# Altium PCB NURIP.PcbDoc (part 2 of 14) (continued)
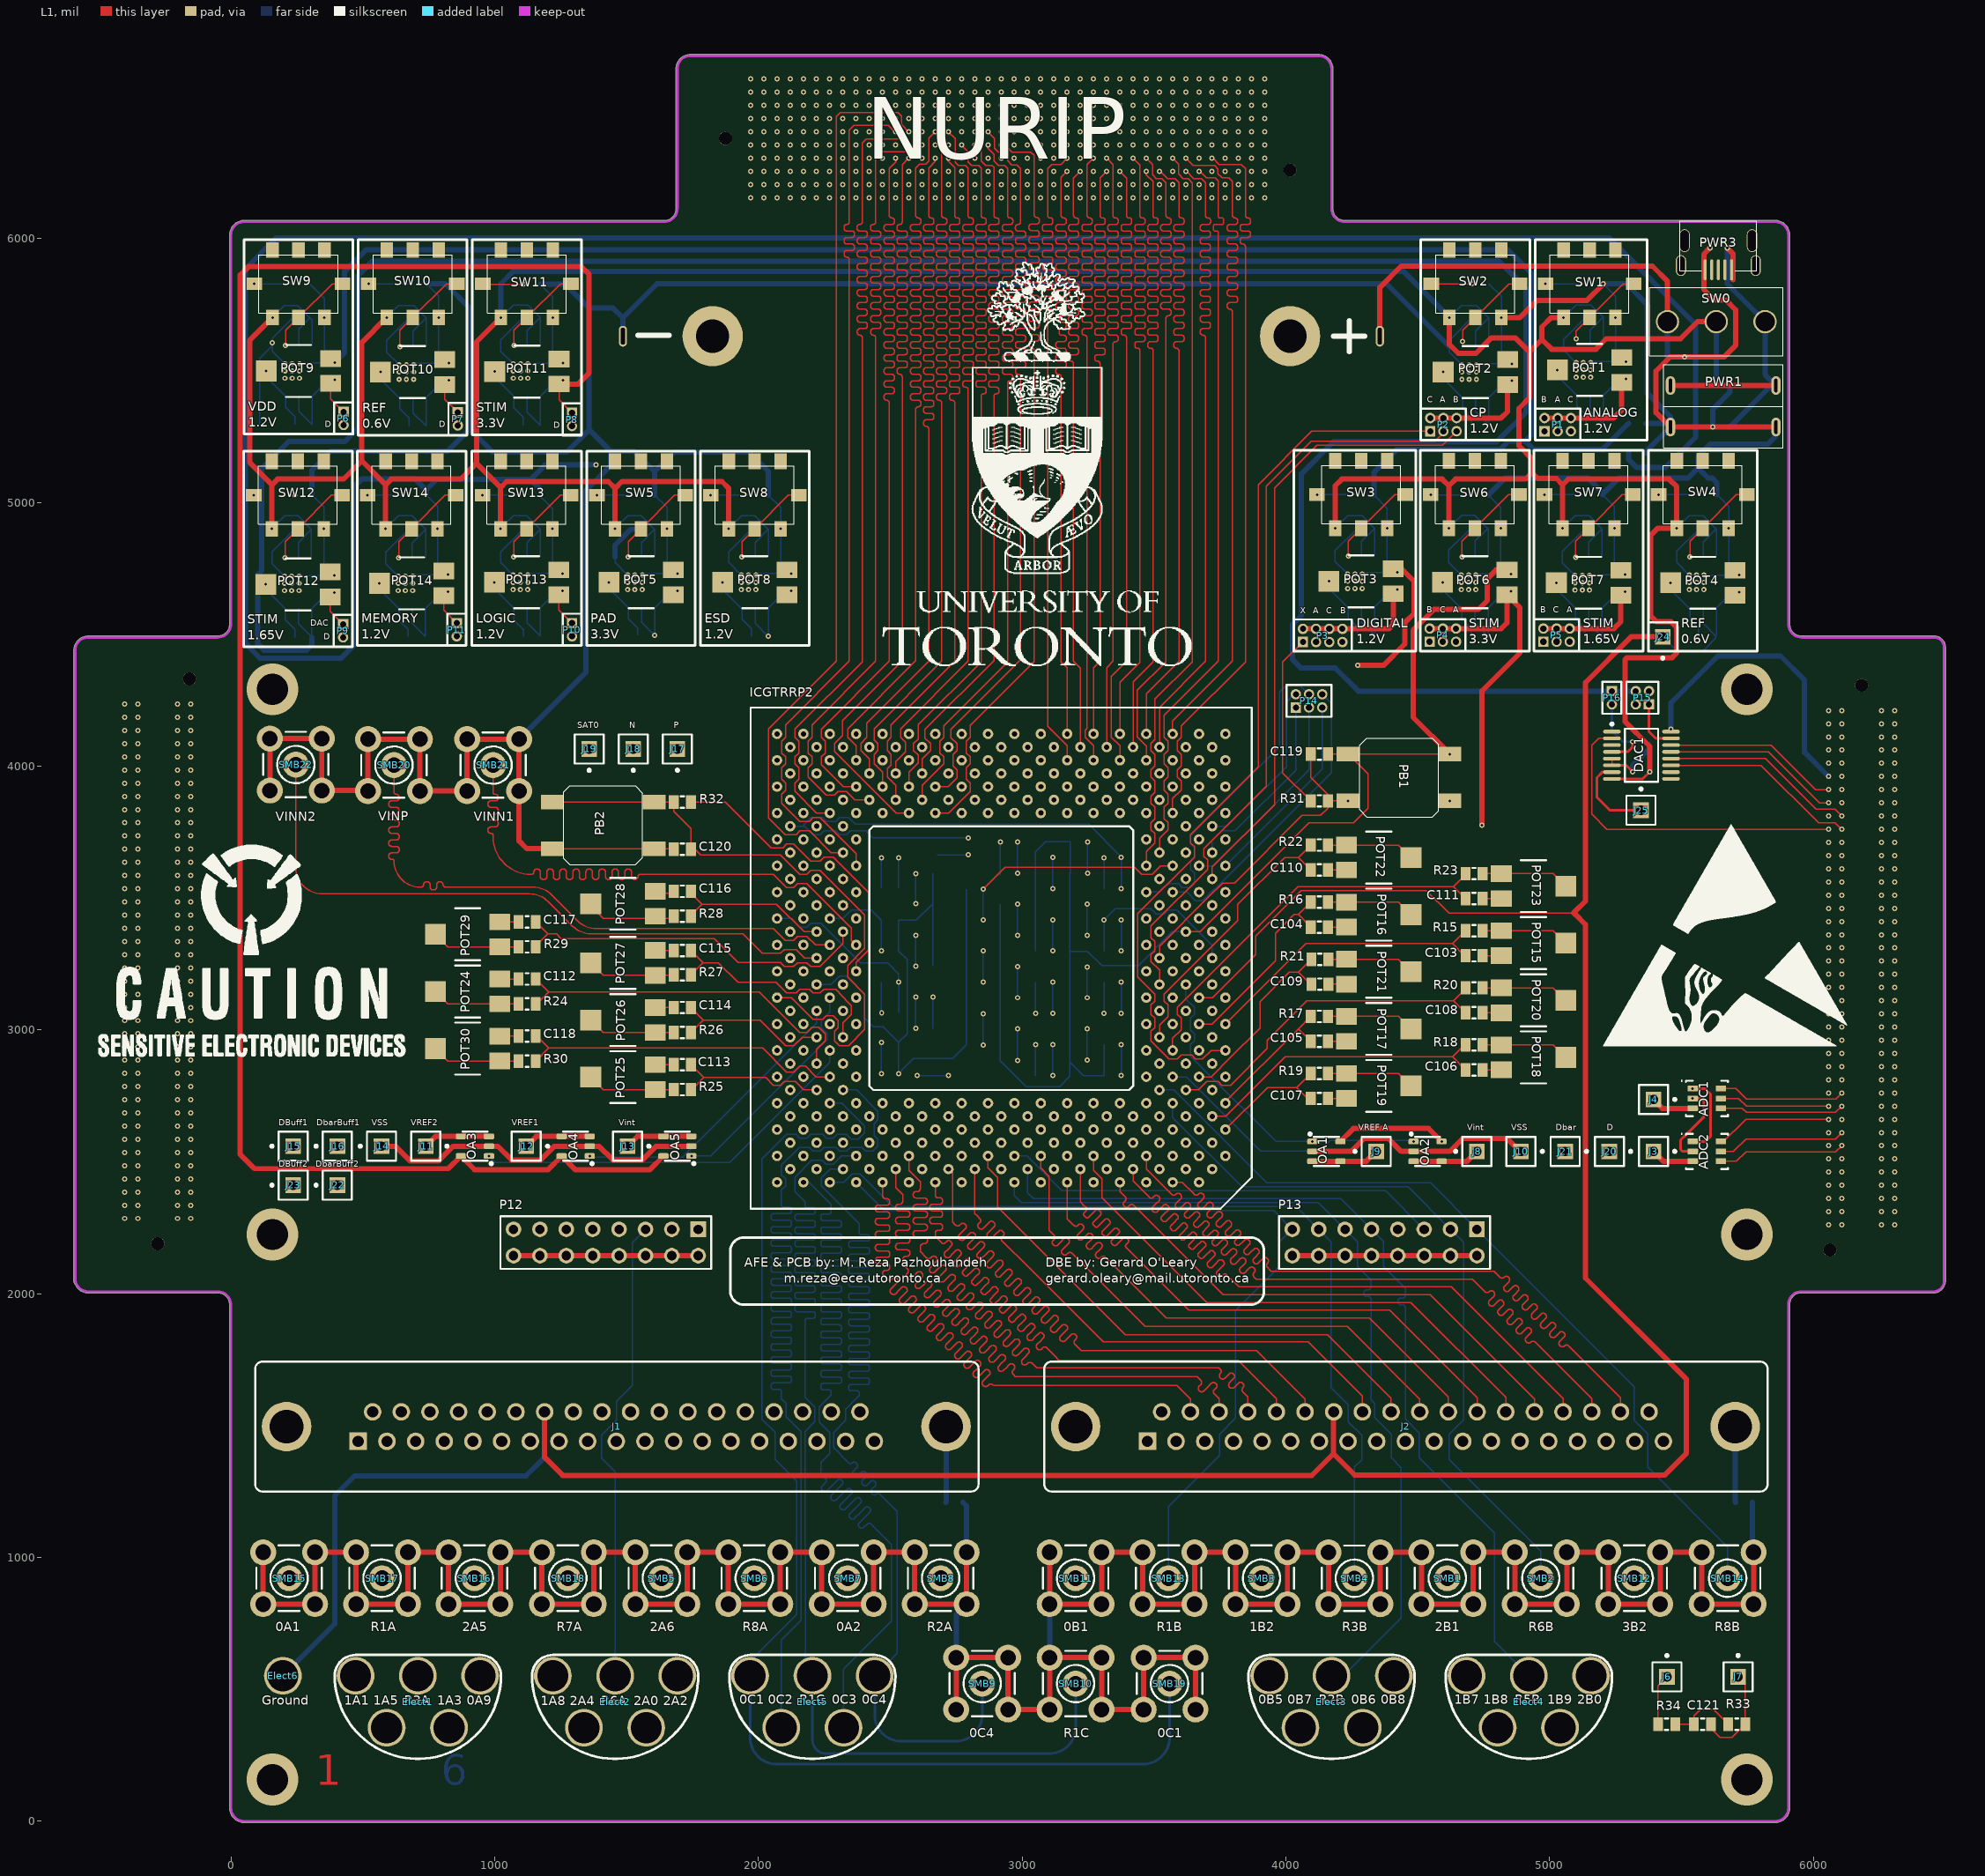
[diagram p0: L1 view]
## Nets (pads, with @x,y where several pads share a name; then routed paths per layer and width w, separated by ;. In a path a pad name is that pad's centre, name@x,y a point inside that pad or via, vN(x,y) a via of type N, cw(c..) or ccw(c..) an arc to the next point about the centre after c; other vN are vias at no path point) (continued)
0A6: ICGTRRP2.F8 J1.36 | length 3500.2
  L4 w5: J1.36@2276.4,1551.97 2276.4,1603.17 2324.8,1651.57 2337.15,1651.57 2353.25,1651.57 cw(c2353.25,1643) 2361.83,1643 ccw(c2372.94,1643) 2372.94,1631.89 2375.41,1631.89 ccw(c2375.41,1643) 2386.52,1643 2386.52,1651.57 2386.52,1655 cw(c2397.62,1655) 2397.62,1666.1 2400.09,1666.1 cw(c2400.09,1655) 2411.2,1655 2411.2,1651.57 2411.2,1643 ccw(c2422.31,1643) 2422.31,1631.89 2424.78,1631.89 ccw(c2424.78,1643) 2435.89,1643 2435.89,1651.57 2435.89,1655 cw(c2446.99,1655) 2446.99,1666.1 2449.46,1666.1 cw(c2449.46,1655) 2460.57,1655 2460.57,1651.57 2460.57,1643 ccw(c2471.68,1643) 2471.68,1631.89 2474.15,1631.89 ccw(c2474.15,1643) 2485.26,1643 2485.26,1651.57 2485.26,1655 cw(c2496.36,1655) 2496.36,1666.1 2498.83,1666.1 cw(c2498.83,1655) 2509.94,1655 2509.94,1651.57 2509.94,1643 ccw(c2521.05,1643) 2521.05,1631.89 2523.52,1631.89 ccw(c2523.52,1643) 2534.63,1643 2534.63,1651.57 2534.63,1655 cw(c2545.73,1655) 2545.73,1666.1 2548.2,1666.1 cw(c2548.2,1655) 2559.31,1655 2559.31,1651.57 2559.31,1643 ccw(c2570.42,1643) 2570.42,1631.89 2572.89,1631.89 ccw(c2572.89,1643) 2584,1643 2584,1651.57 2584,1655 cw(c2595.1,1655) 2595.1,1666.1 2597.57,1666.1 cw(c2597.57,1655) 2608.68,1655 2608.68,1651.57 2608.68,1643 ccw(c2619.79,1643) 2619.79,1631.89 2622.26,1631.89 ccw(c2622.26,1643) 2633.37,1643 2633.37,1651.57 2633.37,1655 cw(c2644.47,1655) 2644.47,1666.1 2646.94,1666.1 cw(c2646.94,1655) 2658.05,1655 2658.05,1651.57 2658.05,1643 ccw(c2669.16,1643) 2669.16,1631.89 2671.63,1631.89 ccw(c2671.63,1643) 2682.74,1643 2682.74,1651.57 2682.74,1655 cw(c2693.84,1655) 2693.84,1666.1 2696.31,1666.1 cw(c2696.31,1655) 2707.42,1655 2707.42,1651.57 2707.42,1643 ccw(c2718.53,1643) 2718.53,1631.89 2721,1631.89 ccw(c2721,1643) 2732.11,1643 2732.11,1651.57 2732.11,1655 cw(c2743.21,1655) 2743.21,1666.1 2745.68,1666.1 cw(c2745.68,1655) 2756.79,1655 2756.79,1651.57 2756.79,1643 ccw(c2767.9,1643) 2767.9,1631.89 2770.37,1631.89 ccw(c2770.37,1643) 2781.48,1643 2781.48,1651.57 2781.48,1655 cw(c2792.58,1655) 2792.58,1666.1 2795.05,1666.1 cw(c2795.05,1655) 2806.16,1655 2806.16,1651.57 2806.16,1643 ccw(c2817.27,1643) 2817.27,1631.89 2819.74,1631.89 ccw(c2819.74,1643) 2830.85,1643 2830.85,1651.57 2830.85,1655 cw(c2841.95,1655) 2841.95,1666.1 2844.42,1666.1 cw(c2844.42,1655) 2855.53,1655 2855.53,1651.57 2855.53,1643 ccw(c2866.64,1643) 2866.64,1631.89 2869.11,1631.89 ccw(c2869.11,1643) 2880.22,1643 2880.22,1651.57 2880.22,1660.15 cw(c2891.32,1660.15) 2891.32,1671.26 2893.79,1671.26 cw(c2893.79,1660.15) 2904.9,1660.15 ccw(c2913.48,1660.15) 2913.48,1651.57 2925.2,1651.57 2933.92,1660.3 2945.31,1671.69 ccw(c2939.25,1677.76) 2945.31,1683.82 cw(c2953.17,1691.68) 2945.31,1699.53 2947.06,1701.28 cw(c2954.91,1693.42) 2962.77,1701.28 2968.83,1695.21 2974.9,1689.15 ccw(c2982.75,1697) 2990.61,1689.15 2992.35,1690.89 ccw(c2984.5,1698.75) 2992.35,1706.6 2986.29,1712.67 2980.22,1718.73 cw(c2988.08,1726.59) 2980.22,1734.44 2981.97,1736.19 cw(c2989.82,1728.33) 2997.68,1736.19 3003.74,1730.12 3009.81,1724.06 ccw(c3017.66,1731.91) 3025.52,1724.06 3027.26,1725.8 ccw(c3019.41,1733.66) 3027.26,1741.51 3021.2,1747.58 3015.13,1753.64 cw(c3022.99,1761.5) 3015.13,1769.35 3016.88,1771.1 cw(c3024.73,1763.24) 3032.59,1771.1 3038.65,1765.03 3044.72,1758.97 ccw(c3052.57,1766.82) 3060.43,1758.97 3062.17,1760.71 ccw(c3054.32,1768.57) 3062.17,1776.42 3056.11,1782.49 3050.04,1788.55 cw(c3057.9,1796.41) 3050.04,1804.26 3051.79,1806.01 cw(c3059.64,1798.15) 3067.5,1806.01 3073.56,1799.94 3079.63,1793.88 ccw(c3087.48,1801.73) 3095.34,1793.88 3097.08,1795.62 ccw(c3089.23,1803.48) 3097.08,1811.33 3091.02,1817.4 3084.95,1823.46 cw(c3092.81,1831.32) 3084.95,1839.17 3086.7,1840.92 cw(c3094.55,1833.06) 3102.41,1840.92 3108.47,1834.85 3114.54,1828.79 ccw(c3122.39,1836.64) 3130.25,1828.79 3131.99,1830.53 ccw(c3124.14,1838.39) 3131.99,1846.24 3125.93,1852.31 3119.86,1858.37 cw(c3127.72,1866.23) 3119.86,1874.08 3121.61,1875.83 cw(c3129.46,1867.97) 3137.32,1875.83 3143.38,1869.76 3149.45,1863.7 ccw(c3157.3,1871.55) 3165.16,1863.7 3166.9,1865.44 ccw(c3159.05,1873.3) 3166.9,1881.15 3160.84,1887.22 3154.77,1893.28 cw(c3162.63,1901.14) 3154.77,1908.99 3156.52,1910.74 cw(c3164.37,1902.88) 3172.23,1910.74 3178.29,1904.67 3184.36,1898.61 ccw(c3192.21,1906.46) 3200.07,1898.61 3201.81,1900.35 ccw(c3193.96,1908.21) 3201.81,1916.06 3195.75,1922.13 3189.68,1928.19 cw(c3197.54,1936.05) 3189.68,1943.9 3191.43,1945.65 cw(c3199.28,1937.79) 3207.14,1945.65 3213.2,1939.58 3219.27,1933.52 ccw(c3227.12,1941.37) 3234.98,1933.52 3236.72,1935.26 ccw(c3228.87,1943.12) 3236.72,1950.97 3230.66,1957.04 3224.59,1963.1 cw(c3232.45,1970.96) 3224.59,1978.81 3226.34,1980.56 cw(c3234.19,1972.7) 3242.05,1980.56 3248.11,1974.49 3254.18,1968.43 ccw(c3262.03,1976.28) 3269.89,1968.43 3271.63,1970.17 ccw(c3263.78,1978.03) 3271.63,1985.88 3265.57,1991.95 3259.5,1998.01 cw(c3267.36,2005.87) 3259.5,2013.72 3261.25,2015.47 cw(c3269.1,2007.61) 3276.96,2015.47 3283.02,2009.4 3289.09,2003.34 ccw(c3296.94,2011.19) 3304.8,2003.34 3306.54,2005.08 ccw(c3298.69,2012.94) 3306.54,2020.79 3300.48,2026.86 3294.41,2032.92 cw(c3302.27,2040.78) 3294.41,2048.63 3296.16,2050.38 cw(c3304.01,2042.52) 3311.87,2050.38 3317.93,2044.31 3324,2038.25 ccw(c3331.85,2046.1) 3339.71,2038.25 3341.45,2039.99 ccw(c3333.6,2047.85) 3341.45,2055.7 3335.39,2061.77 3329.32,2067.83 cw(c3337.18,2075.69) 3329.32,2083.54 3331.07,2085.29 cw(c3338.92,2077.43) 3346.78,2085.29 3352.84,2079.22 3358.91,2073.16 ccw(c3366.76,2081.01) 3374.62,2073.16 3376.36,2074.9 ccw(c3368.51,2082.76) 3376.36,2090.61 3370.3,2096.68 3364.23,2102.74 cw(c3372.09,2110.59) 3364.23,2118.45 3365.98,2120.2 cw(c3373.83,2112.34) 3381.69,2120.2 3387.75,2114.13 3393.82,2108.07 ccw(c3401.67,2115.92) 3409.53,2108.07 3411.27,2109.81 ccw(c3403.42,2117.67) 3411.27,2125.52 3405.21,2131.59 3399.14,2137.65 cw(c3407,2145.5) 3399.14,2153.36 3400.89,2155.11 cw(c3408.74,2147.25) 3416.6,2155.11 ccw(c3422.66,2161.17) 3428.73,2155.1 3438.52,2164.9 3438.52,2177.24 3438.52,2193.35 ccw(c3429.95,2193.35) 3429.95,2201.93 cw(c3429.95,2213.04) 3418.84,2213.04 3418.84,2215.51 cw(c3429.95,2215.51) 3429.95,2226.61 3438.52,2226.61 3447.1,2226.61 ccw(c3447.1,2237.72) 3458.21,2237.72 3458.21,2240.19 ccw(c3447.1,2240.19) 3447.1,2251.3 3438.52,2251.3 3429.95,2251.3 cw(c3429.95,2262.41) 3418.84,2262.41 3418.84,2264.88 cw(c3429.95,2264.88) 3429.95,2275.98 3438.52,2275.98 3447.1,2275.98 ccw(c3447.1,2287.09) 3458.21,2287.09 3458.21,2289.56 ccw(c3447.1,2289.56) 3447.1,2300.67 3438.52,2300.67 3429.95,2300.67 cw(c3429.95,2311.78) 3418.84,2311.78 3418.84,2314.25 cw(c3429.95,2314.25) 3429.95,2325.35 3438.52,2325.35 3447.1,2325.35 ccw(c3447.1,2336.46) 3458.21,2336.46 3458.21,2338.93 ccw(c3447.1,2338.93) 3447.1,2350.04 cw(c3447.1,2358.62) 3438.52,2358.62 3438.52,2372.05 3438.52,2435.54 3452.89,2449.91 3452.89,2485.54 3438.52,2499.91 3438.52,2535.54 3452.89,2549.91 3452.89,2585.54 3438.52,2599.91 3438.52,2654.39 ICGTRRP2.F8@3420.71,2672.2
0A7: ICGTRRP2.D26 J1.6 | length 3193
  L3 w5: J1.6@1026.34,1440.16 1026.34,1609.02 1040.35,1623.03 1052.39,1635.07 cw(c1057.58,1629.87) 1062.77,1635.07 ; 1062.74,1635.1 ccw(c1071.47,1643.83) 1080.2,1635.1 ccw(c1071.47,1643.83) 1080.2,1652.55 1075.04,1657.71 1069.88,1662.87 cw(c1078.6,1671.6) 1069.88,1680.33 cw(c1078.6,1671.6) 1087.33,1680.33 1092.49,1675.17 1097.65,1670.01 ccw(c1106.38,1678.74) 1115.11,1670.01 ccw(c1106.38,1678.74) 1115.11,1687.46 1109.95,1692.62 1104.79,1697.78 cw(c1113.51,1706.51) 1104.79,1715.24 cw(c1113.51,1706.51) 1122.24,1715.24 1127.4,1710.08 1132.56,1704.92 ccw(c1141.29,1713.65) 1150.02,1704.92 ccw(c1141.29,1713.65) 1150.02,1722.37 1144.86,1727.53 1139.7,1732.69 cw(c1148.42,1741.42) 1139.7,1750.15 cw(c1148.42,1741.42) 1157.15,1750.15 1162.31,1744.99 1167.47,1739.83 ccw(c1176.2,1748.56) 1184.93,1739.83 ccw(c1176.2,1748.56) 1184.93,1757.28 1179.77,1762.44 1174.61,1767.6 cw(c1183.33,1776.33) 1174.61,1785.06 cw(c1183.33,1776.33) 1192.06,1785.06 1197.22,1779.9 1202.38,1774.74 ccw(c1211.11,1783.47) 1219.84,1774.74 ccw(c1211.11,1783.47) 1219.84,1792.19 1214.68,1797.35 1209.52,1802.51 cw(c1218.24,1811.24) 1209.52,1819.97 cw(c1218.24,1811.24) 1226.97,1819.97 1232.13,1814.81 1237.29,1809.65 ccw(c1246.02,1818.38) 1254.75,1809.65 ccw(c1246.02,1818.38) 1254.75,1827.1 1249.59,1832.26 1244.43,1837.42 cw(c1253.15,1846.15) 1244.43,1854.88 cw(c1253.15,1846.15) 1261.88,1854.88 1267.04,1849.72 1272.2,1844.56 ccw(c1280.93,1853.29) 1289.66,1844.56 ccw(c1280.93,1853.29) 1289.66,1862.01 1284.5,1867.17 1279.34,1872.33 cw(c1288.06,1881.06) 1279.34,1889.79 cw(c1288.06,1881.06) 1296.79,1889.79 1301.95,1884.63 1307.11,1879.47 ccw(c1315.84,1888.2) 1324.56,1879.47 ccw(c1315.84,1888.2) 1324.56,1896.92 1319.41,1902.08 1314.25,1907.24 cw(c1322.97,1915.97) 1314.25,1924.7 cw(c1322.97,1915.97) 1331.7,1924.7 1336.86,1919.54 1342.02,1914.38 ccw(c1350.75,1923.11) 1359.47,1914.38 ccw(c1350.75,1923.11) 1359.47,1931.83 1354.32,1936.99 1349.12,1942.18 cw(c1357.85,1950.91) 1349.12,1959.64 cw(c1357.85,1950.91) 1366.58,1959.64 ccw(c1371.77,1964.83) 1376.96,1959.64 1389.23,1971.9 1397.95,1980.63 2144.02,1980.63 2148.62,1985.24 2160.42,1997.03 ccw(c2155.22,2002.22) 2160.42,2007.41 cw(c2169.14,2016.14) 2160.42,2024.87 cw(c2169.14,2016.14) 2177.87,2024.87 2183.06,2019.68 2188.25,2014.48 ccw(c2196.98,2023.21) 2205.71,2014.48 ccw(c2196.98,2023.21) 2205.71,2031.94 2200.52,2037.13 2195.33,2042.32 cw(c2204.05,2051.05) 2195.33,2059.78 cw(c2204.05,2051.05) 2212.78,2059.78 2217.97,2054.59 2223.16,2049.39 ccw(c2231.89,2058.12) 2240.62,2049.39 ccw(c2231.89,2058.12) 2240.62,2066.85 2235.43,2072.04 2230.24,2077.23 cw(c2238.96,2085.96) 2230.24,2094.69 cw(c2238.96,2085.96) 2247.69,2094.69 2252.88,2089.5 2258.07,2084.3 ccw(c2266.8,2093.03) 2275.53,2084.3 ccw(c2266.8,2093.03) 2275.53,2101.76 2270.34,2106.95 2265.15,2112.14 cw(c2273.87,2120.87) 2265.15,2129.6 cw(c2273.87,2120.87) 2282.6,2129.6 2287.79,2124.41 2292.98,2119.21 ccw(c2301.71,2127.94) 2310.44,2119.21 ccw(c2301.71,2127.94) 2310.44,2136.67 2305.25,2141.86 2300.05,2147.05 cw(c2308.78,2155.78) 2300.05,2164.51 cw(c2308.78,2155.78) 2317.51,2164.51 2322.7,2159.32 2327.89,2154.12 ccw(c2336.62,2162.85) 2345.35,2154.12 ccw(c2336.62,2162.85) 2345.35,2171.58 2340.16,2176.77 2334.96,2181.96 cw(c2343.69,2190.69) 2334.96,2199.42 cw(c2343.69,2190.69) 2352.42,2199.42 2357.61,2194.23 2362.8,2189.03 ccw(c2371.53,2197.76) 2380.26,2189.03 ccw(c2371.53,2197.76) 2380.26,2206.49 2375.07,2211.68 2369.87,2216.87 cw(c2378.6,2225.6) 2369.87,2234.33 cw(c2378.6,2225.6) 2387.33,2234.33 2392.52,2229.14 2397.71,2223.94 ccw(c2406.44,2232.67) 2415.17,2223.94 ccw(c2406.44,2232.67) 2415.17,2241.4 2409.98,2246.59 2404.78,2251.78 cw(c2413.51,2260.51) 2404.78,2269.24 cw(c2413.51,2260.51) 2422.24,2269.24 2427.43,2264.05 2432.62,2258.85 ccw(c2441.35,2267.58) 2450.08,2258.85 ccw(c2441.35,2267.58) 2450.08,2276.31 2444.89,2281.5 2439.69,2286.69 cw(c2448.42,2295.42) 2439.69,2304.15 cw(c2448.42,2295.42) 2457.15,2304.15 ccw(c2462.34,2309.34) 2467.53,2304.15 2479.8,2316.41 2488.52,2325.14 2488.52,2394.5 2502.89,2408.87 2502.89,2435.54 2488.52,2449.91 2488.52,2485.54 2520.71,2517.72 ICGTRRP2.D26@2520.71,2572.2
0A8: ICGTRRP2.E9 J1.34 | length 3507.8
  L4 w5: J1.34@2059,1551.97 2059,1606.24 2074.8,1622.05 2100.12,1647.37 ccw(c2094.01,1653.47) 2100.12,1659.58 2098.68,1661.02 cw(c2104.79,1667.13) 2098.68,1673.24 2103.92,1678.48 cw(c2110.03,1672.37) 2116.14,1678.48 2123.69,1670.93 2131.23,1663.38 ccw(c2137.34,1669.49) 2143.45,1663.38 2148.69,1668.62 ccw(c2142.58,1674.73) 2148.69,1680.84 2147.25,1682.28 cw(c2153.36,1688.38) 2147.25,1694.49 2158.6,1705.84 2167.32,1714.57 2170.81,1714.57 2189.6,1714.57 ccw(c2189.6,1720.46) 2195.49,1720.46 2195.49,1720.08 cw(c2204.13,1720.08) 2204.13,1728.72 2211.54,1728.72 cw(c2211.54,1720.08) 2220.18,1720.08 2220.18,1714.57 2220.18,1704.37 ccw(c2228.82,1704.37) 2228.82,1695.73 2236.22,1695.73 ccw(c2236.22,1704.37) 2244.86,1704.37 2244.86,1714.57 2244.86,1720.08 cw(c2253.5,1720.08) 2253.5,1728.72 2260.91,1728.72 cw(c2260.91,1720.08) 2269.55,1720.08 2269.55,1714.57 2269.55,1705.11 ccw(c2278.19,1705.11) 2278.19,1696.47 2285.59,1696.47 ccw(c2285.59,1705.11) 2294.23,1705.11 2294.23,1714.57 2294.23,1720.08 cw(c2302.87,1720.08) 2302.87,1728.72 2310.28,1728.72 cw(c2310.28,1720.08) 2318.92,1720.08 2318.92,1714.57 2318.92,1705.11 ccw(c2327.56,1705.11) 2327.56,1696.47 2334.96,1696.47 ccw(c2334.96,1705.11) 2343.6,1705.11 2343.6,1714.57 2343.6,1720.08 cw(c2352.24,1720.08) 2352.24,1728.72 2359.65,1728.72 cw(c2359.65,1720.08) 2368.29,1720.08 2368.29,1714.57 2368.29,1705.11 ccw(c2376.93,1705.11) 2376.93,1696.47 2384.33,1696.47 ccw(c2384.33,1705.11) 2392.97,1705.11 2392.97,1714.57 2392.97,1720.08 cw(c2401.61,1720.08) 2401.61,1728.72 2409.02,1728.72 cw(c2409.02,1720.08) 2417.66,1720.08 2417.66,1714.57 2417.66,1705.11 ccw(c2426.3,1705.11) 2426.3,1696.47 2433.7,1696.47 ccw(c2433.7,1705.11) 2442.34,1705.11 2442.34,1714.57 2442.34,1720.08 cw(c2450.98,1720.08) 2450.98,1728.72 2458.39,1728.72 cw(c2458.39,1720.08) 2467.03,1720.08 2467.03,1714.57 2467.03,1705.11 ccw(c2475.67,1705.11) 2475.67,1696.47 2483.07,1696.47 ccw(c2483.07,1705.11) 2491.71,1705.11 2491.71,1714.57 2491.71,1720.08 cw(c2500.35,1720.08) 2500.35,1728.72 2507.76,1728.72 cw(c2507.76,1720.08) 2516.4,1720.08 2516.4,1714.57 2516.4,1705.11 ccw(c2525.04,1705.11) 2525.04,1696.47 2532.44,1696.47 ccw(c2532.44,1705.11) 2541.08,1705.11 2541.08,1714.57 2541.08,1720.08 cw(c2549.72,1720.08) 2549.72,1728.72 2557.13,1728.72 cw(c2557.13,1720.08) 2565.77,1720.08 2565.77,1714.57 2565.77,1705.11 ccw(c2574.41,1705.11) 2574.41,1696.47 2581.81,1696.47 ccw(c2581.81,1705.11) 2590.45,1705.11 2590.45,1714.57 2590.45,1720.08 cw(c2599.09,1720.08) 2599.09,1728.72 2606.5,1728.72 cw(c2606.5,1720.08) 2615.14,1720.08 2615.14,1714.57 2615.14,1705.11 ccw(c2623.78,1705.11) 2623.78,1696.47 2631.18,1696.47 ccw(c2631.18,1705.11) 2639.82,1705.11 2639.82,1714.57 2639.82,1720.08 cw(c2648.46,1720.08) 2648.46,1728.72 2655.87,1728.72 cw(c2655.87,1720.08) 2664.51,1720.08 2664.51,1714.57 2664.51,1705.11 ccw(c2673.15,1705.11) 2673.15,1696.47 2680.55,1696.47 ccw(c2680.55,1705.11) 2689.19,1705.11 2689.19,1714.57 2689.19,1720.08 cw(c2697.83,1720.08) 2697.83,1728.72 2705.24,1728.72 cw(c2705.24,1720.08) 2713.88,1720.08 2713.88,1714.57 2713.88,1705.11 ccw(c2722.52,1705.11) 2722.52,1696.47 2729.92,1696.47 ccw(c2729.92,1705.11) 2738.56,1705.11 2738.56,1705.93 cw(c2747.2,1705.93) 2747.2,1714.57 2763.25,1714.57 2775.59,1714.57 2780.67,1719.65 cw(c2786.78,1713.54) 2792.89,1719.65 2794.33,1718.21 ccw(c2800.44,1724.32) 2806.55,1718.21 2811.78,1723.45 ccw(c2805.68,1729.56) 2811.78,1735.67 2804.24,1743.22 2796.69,1750.76 cw(c2802.8,1756.87) 2796.69,1762.98 2801.93,1768.22 cw(c2808.04,1762.11) 2814.15,1768.22 2821.69,1760.67 2829.24,1753.12 ccw(c2835.35,1759.23) 2841.46,1753.12 2846.69,1758.36 ccw(c2840.59,1764.47) 2846.69,1770.58 2839.15,1778.12 2831.6,1785.67 cw(c2837.71,1791.78) 2831.6,1797.89 2836.84,1803.13 cw(c2842.95,1797.02) 2849.06,1803.13 2856.6,1795.58 2864.15,1788.03 ccw(c2870.26,1794.14) 2876.37,1788.03 2881.6,1793.27 ccw(c2875.49,1799.38) 2881.6,1805.49 2874.06,1813.03 2866.51,1820.58 cw(c2872.62,1826.69) 2866.51,1832.8 2871.75,1838.04 cw(c2877.86,1831.93) 2883.97,1838.04 2891.51,1830.49 2899.06,1822.94 ccw(c2905.17,1829.05) 2911.28,1822.94 2916.51,1828.18 ccw(c2910.4,1834.29) 2916.51,1840.4 2908.97,1847.94 2901.42,1855.49 cw(c2907.53,1861.6) 2901.42,1867.71 2906.66,1872.95 cw(c2912.77,1866.84) 2918.88,1872.95 2926.42,1865.4 2933.97,1857.85 ccw(c2940.08,1863.96) 2946.19,1857.85 2951.42,1863.09 ccw(c2945.31,1869.2) 2951.42,1875.31 2943.88,1882.85 2936.33,1890.4 cw(c2942.44,1896.51) 2936.33,1902.62 2941.57,1907.86 cw(c2947.68,1901.75) 2953.79,1907.86 2961.33,1900.31 2968.88,1892.76 ccw(c2974.99,1898.87) 2981.1,1892.76 2986.33,1898 ccw(c2980.22,1904.11) 2986.33,1910.22 2978.79,1917.76 2971.24,1925.31 cw(c2977.35,1931.42) 2971.24,1937.53 2976.48,1942.77 cw(c2982.59,1936.66) 2988.7,1942.77 2996.24,1935.22 3003.79,1927.67 ccw(c3009.9,1933.78) 3016.01,1927.67 3021.24,1932.91 ccw(c3015.13,1939.02) 3021.24,1945.13 3013.7,1952.67 3006.15,1960.22 cw(c3012.26,1966.33) 3006.15,1972.44 3011.39,1977.67 cw(c3017.5,1971.57) 3023.61,1977.67 3031.15,1970.13 3038.7,1962.58 ccw(c3044.81,1968.69) 3050.92,1962.58 3056.15,1967.82 ccw(c3050.04,1973.93) 3056.15,1980.04 3048.61,1987.58 3041.06,1995.13 cw(c3047.17,2001.24) 3041.06,2007.35 3046.3,2012.58 cw(c3052.41,2006.48) 3058.52,2012.58 3066.06,2005.04 3073.61,1997.49 ccw(c3079.72,2003.6) 3085.83,1997.49 3091.06,2002.73 ccw(c3084.95,2008.84) 3091.06,2014.95 3083.52,2022.49 3075.97,2030.04 cw(c3082.08,2036.15) 3075.97,2042.26 3081.21,2047.49 cw(c3087.32,2041.39) 3093.43,2047.49 3100.97,2039.95 3108.52,2032.4 ccw(c3114.63,2038.51) 3120.74,2032.4 3125.97,2037.64 ccw(c3119.86,2043.75) 3125.97,2049.86 3118.43,2057.4 3110.88,2064.95 cw(c3116.99,2071.06) 3110.88,2077.17 3116.12,2082.4 cw(c3122.23,2076.3) 3128.34,2082.4 3135.88,2074.86 3143.43,2067.31 ccw(c3149.54,2073.42) 3155.65,2067.31 3160.88,2072.55 ccw(c3154.77,2078.66) 3160.88,2084.77 3153.34,2092.31 3145.79,2099.86 cw(c3151.9,2105.97) 3145.79,2112.08 3151.03,2117.31 cw(c3157.14,2111.21) 3163.25,2117.31 3170.79,2109.77 3178.34,2102.22 ccw(c3184.45,2108.33) 3190.56,2102.22 3195.79,2107.46 ccw(c3189.68,2113.57) 3195.79,2119.68 3188.25,2127.22 3180.7,2134.77 cw(c3186.81,2140.88) 3180.7,2146.99 3185.94,2152.22 cw(c3192.05,2146.12) 3198.16,2152.22 3205.7,2144.68 3213.25,2137.13 ccw(c3219.36,2143.24) 3225.47,2137.13 3230.7,2142.37 ccw(c3224.59,2148.48) 3230.7,2154.59 3223.16,2162.13 3215.61,2169.68 cw(c3221.72,2175.79) 3215.61,2181.9 3220.85,2187.13 cw(c3226.96,2181.02) 3233.07,2187.13 3240.61,2179.59 3248.16,2172.04 ccw(c3254.27,2178.15) 3260.38,2172.04 3265.61,2177.28 ccw(c3259.5,2183.39) 3265.61,2189.5 3258.07,2197.04 3250.52,2204.59 cw(c3256.63,2210.7) 3250.52,2216.81 3255.76,2222.04 cw(c3261.87,2215.93) 3267.98,2222.04 3275.52,2214.5 3283.07,2206.95 ccw(c3289.18,2213.06) 3295.29,2206.95 3300.52,2212.19 ccw(c3294.41,2218.3) 3300.52,2224.41 3292.98,2231.95 3285.43,2239.5 cw(c3291.54,2245.61) 3285.43,2251.72 3290.67,2256.95 cw(c3296.78,2250.84) 3302.89,2256.95 3304.32,2255.52 ccw(c3310.43,2261.63) 3316.54,2255.52 3327.89,2266.86 3336.61,2275.59 3336.61,2442.59 3352.89,2458.87 3352.89,2494.5 3338.52,2508.87 3338.52,2544.5 3370.71,2576.69 ICGTRRP2.E9@3370.71,2622.2
0A9: Elect1.1 ICGTRRP2.D24 J1.7 | length 3805.7
  L3 w5: J1.7@1135.04,1440.16 1135.04,1609.45 1342.52,1816.93 1391.61,1866.02 ccw(c1385.54,1872.08) 1391.61,1878.15 cw(c1399.46,1886) 1391.61,1893.86 1393.35,1895.6 cw(c1401.21,1887.75) 1409.06,1895.6 1415.13,1889.54 1421.19,1883.47 ccw(c1429.05,1891.33) 1436.9,1883.47 1438.65,1885.22 ccw(c1430.79,1893.07) 1438.65,1900.93 1432.58,1906.99 1426.52,1913.06 cw(c1434.37,1920.91) 1426.52,1928.77 1428.26,1930.51 cw(c1436.12,1922.66) 1443.97,1930.51 ccw(c1450.04,1936.58) 1456.1,1930.51 1467.49,1941.9 1476.22,1950.63 2222.28,1950.63 2226.38,1954.72 2227.61,1955.96 2239,1967.35 ccw(c2232.94,1973.41) 2239,1979.48 cw(c2246.86,1987.33) 2239,1995.19 2240.75,1996.93 cw(c2248.6,1989.08) 2256.46,1996.93 2262.52,1990.87 2268.59,1984.8 ccw(c2276.44,1992.66) 2284.3,1984.8 2286.04,1986.55 ccw(c2278.19,1994.4) 2286.04,2002.26 2279.98,2008.32 2273.91,2014.39 cw(c2281.77,2022.24) 2273.91,2030.1 2275.66,2031.84 cw(c2283.51,2023.99) 2291.37,2031.84 2297.43,2025.78 2303.5,2019.71 ccw(c2311.35,2027.57) 2319.21,2019.71 2320.95,2021.46 ccw(c2313.1,2029.31) 2320.95,2037.17 2314.89,2043.23 2308.82,2049.3 cw(c2316.68,2057.15) 2308.82,2065.01 2310.57,2066.75 cw(c2318.42,2058.9) 2326.28,2066.75 2332.34,2060.69 2338.41,2054.62 ccw(c2346.26,2062.48) 2354.12,2054.62 2355.86,2056.37 ccw(c2348.01,2064.22) 2355.86,2072.08 2349.8,2078.14 2343.73,2084.21 cw(c2351.59,2092.06) 2343.73,2099.92 2345.48,2101.66 cw(c2353.33,2093.81) 2361.19,2101.66 2367.25,2095.6 2373.32,2089.53 ccw(c2381.17,2097.39) 2389.03,2089.53 2390.77,2091.28 ccw(c2382.92,2099.13) 2390.77,2106.99 2384.71,2113.05 2378.64,2119.12 cw(c2386.5,2126.97) 2378.64,2134.83 2380.39,2136.57 cw(c2388.24,2128.72) 2396.1,2136.57 2402.16,2130.51 2408.23,2124.44 ccw(c2416.08,2132.3) 2423.94,2124.44 2425.68,2126.19 ccw(c2417.83,2134.04) 2425.68,2141.9 2419.62,2147.96 2413.55,2154.03 cw(c2421.41,2161.88) 2413.55,2169.74 2415.3,2171.48 cw(c2423.15,2163.63) 2431.01,2171.48 2437.07,2165.42 2443.14,2159.35 ccw(c2450.99,2167.21) 2458.85,2159.35 2460.59,2161.1 ccw(c2452.74,2168.95) 2460.59,2176.81 2454.53,2182.87 2448.46,2188.94 cw(c2456.32,2196.79) 2448.46,2204.65 2450.21,2206.39 cw(c2458.06,2198.54) 2465.92,2206.39 2471.98,2200.33 2478.05,2194.26 ccw(c2485.9,2202.12) 2493.76,2194.26 2495.5,2196.01 ccw(c2487.65,2203.86) 2495.5,2211.72 2489.44,2217.78 2483.37,2223.85 cw(c2491.23,2231.7) 2483.37,2239.56 2485.12,2241.3 cw(c2492.97,2233.45) 2500.83,2241.3 2506.89,2235.24 2512.96,2229.17 ccw(c2520.81,2237.03) 2528.67,2229.17 2530.41,2230.92 ccw(c2522.56,2238.77) 2530.41,2246.63 2524.35,2252.69 2518.28,2258.76 cw(c2526.14,2266.61) 2518.28,2274.47 2520.03,2276.21 cw(c2527.88,2268.36) 2535.74,2276.21 2541.8,2270.15 2547.87,2264.08 ccw(c2555.72,2271.94) 2563.58,2264.08 2565.32,2265.83 ccw(c2557.47,2273.68) 2565.32,2281.54 2559.26,2287.6 2553.19,2293.67 cw(c2561.05,2301.52) 2553.19,2309.38 2554.94,2311.12 cw(c2562.79,2303.27) 2570.65,2311.12 ccw(c2576.71,2317.19) 2582.78,2311.12 2594.17,2322.51 2602.89,2331.24 2602.89,2444.5 2588.52,2458.87 2588.52,2485.54 2620.71,2517.72 ICGTRRP2.D24@2620.71,2572.2
  L5 w5: Elect1.1@944.88,551.18 1104.33,710.63 1104.33,1375.98 1135.04,1406.69 J1.7@1135.04,1440.16
0B1: ICGTRRP2.C27 J2.3 SMB11.1 | length 3243.8
  L5 w5: ICGTRRP2.C27@2470.71,2522.2 2470.71,2467.72 2502.89,2435.54 2502.89,2370.08 ccw(c2515.24,2370.08) 2515.24,2357.74 2518.11,2357.74 cw(c2518.11,2345.39) 2530.45,2345.39 cw(c2518.11,2345.39) 2518.11,2333.05 2502.89,2333.05 2487.68,2333.05 ccw(c2487.68,2320.71) 2475.33,2320.71 ccw(c2487.68,2320.71) 2487.68,2308.37 2502.89,2308.37 2518.11,2308.37 cw(c2518.11,2296.02) 2530.45,2296.02 cw(c2518.11,2296.02) 2518.11,2283.68 2502.89,2283.68 2487.68,2283.68 ccw(c2487.68,2271.34) 2475.33,2271.34 ccw(c2487.68,2271.34) 2487.68,2259 2502.89,2259 2518.11,2259 cw(c2518.11,2246.65) 2530.45,2246.65 cw(c2518.11,2246.65) 2518.11,2234.31 2502.89,2234.31 2487.68,2234.31 ccw(c2487.68,2221.97) 2475.33,2221.97 ccw(c2487.68,2221.97) 2487.68,2209.63 2502.89,2209.63 2518.11,2209.63 cw(c2518.11,2197.28) 2530.45,2197.28 cw(c2518.11,2197.28) 2518.11,2184.94 2502.89,2184.94 2487.68,2184.94 ccw(c2487.68,2172.6) 2475.33,2172.6 ccw(c2487.68,2172.6) 2487.68,2160.26 2502.89,2160.26 2518.11,2160.26 cw(c2518.11,2147.91) 2530.45,2147.91 cw(c2518.11,2147.91) 2518.11,2135.57 2502.89,2135.57 2487.68,2135.57 ccw(c2487.68,2123.23) 2475.33,2123.23 ccw(c2487.68,2123.23) 2487.68,2110.89 2490.55,2110.89 cw(c2490.55,2098.54) 2502.89,2098.54 2502.89,2032.54 2509.84,2025.59 2868.37,1667.07 3630.18,1667.07 3692.36,1604.88 J2.3@3692.36,1440.16 3502.2,1250 3411.42,1250 3202.76,1041.34 SMB11.1@3202.76,921.26
0B2: ICGTRRP2.B28 J2.2 | length 3244.7
  L5 w5: ICGTRRP2.B28@2420.71,2472.2 2420.71,2372.05 ccw(c2433.05,2372.05) 2433.05,2359.7 2435.8,2359.7 cw(c2435.8,2347.36) 2448.14,2347.36 cw(c2435.8,2347.36) 2435.8,2335.02 2420.71,2335.02 2405.62,2335.02 ccw(c2405.62,2322.68) 2393.27,2322.68 ccw(c2405.62,2322.68) 2405.62,2310.33 2420.71,2310.33 2435.8,2310.33 cw(c2435.8,2297.99) 2448.14,2297.99 cw(c2435.8,2297.99) 2435.8,2285.65 2420.71,2285.65 2405.62,2285.65 ccw(c2405.62,2273.31) 2393.27,2273.31 ccw(c2405.62,2273.31) 2405.62,2260.96 2420.71,2260.96 2435.8,2260.96 cw(c2435.8,2248.62) 2448.14,2248.62 cw(c2435.8,2248.62) 2435.8,2236.28 2420.71,2236.28 2405.62,2236.28 ccw(c2405.62,2223.94) 2393.27,2223.94 ccw(c2405.62,2223.94) 2405.62,2211.59 2420.71,2211.59 2435.8,2211.59 cw(c2435.8,2199.25) 2448.14,2199.25 cw(c2435.8,2199.25) 2435.8,2186.91 2420.71,2186.91 2405.62,2186.91 ccw(c2405.62,2174.57) 2393.27,2174.57 ccw(c2405.62,2174.57) 2405.62,2162.22 2420.71,2162.22 2435.8,2162.22 cw(c2435.8,2149.88) 2448.14,2149.88 cw(c2435.8,2149.88) 2435.8,2137.54 2420.71,2137.54 2405.62,2137.54 ccw(c2405.62,2125.2) 2393.27,2125.2 ccw(c2405.62,2125.2) 2405.62,2112.85 2420.71,2112.85 2435.8,2112.85 cw(c2435.8,2100.51) 2448.14,2100.51 cw(c2435.8,2100.51) 2435.8,2088.17 2420.71,2088.17 2405.62,2088.17 ccw(c2405.62,2075.83) 2393.27,2075.83 ccw(c2405.62,2075.83) 2405.62,2063.48 2420.71,2063.48 2435.8,2063.48 cw(c2435.8,2051.14) 2448.14,2051.14 cw(c2435.8,2051.14) 2435.8,2038.8 2420.71,2038.8 2405.62,2038.8 ccw(c2405.62,2026.46) 2393.27,2026.46 ccw(c2405.62,2026.46) 2405.62,2014.11 2420.71,2014.11 2435.8,2014.11 cw(c2435.8,2001.77) 2448.14,2001.77 cw(c2435.8,2001.77) 2435.8,1989.43 2433.05,1989.43 ccw(c2433.05,1977.09) 2420.71,1977.09 2420.71,1969.06 2429.44,1960.33 2438.16,1951.6 ccw(c2446.89,1960.33) 2455.62,1951.6 2457.56,1953.54 cw(c2466.29,1944.82) 2475.02,1953.54 cw(c2466.29,1944.82) 2475.02,1936.09 2464.35,1925.42 2453.67,1914.75 ccw(c2462.4,1906.02) 2453.67,1897.29 ccw(c2462.4,1906.02) 2471.13,1897.29 2481.8,1907.96 2492.47,1918.63 cw(c2501.2,1909.91) 2509.93,1918.63 cw(c2501.2,1909.91) 2509.93,1901.18 2499.26,1890.51 2488.58,1879.84 ccw(c2497.31,1871.11) 2488.58,1862.38 ccw(c2497.31,1871.11) 2506.04,1862.38 2516.71,1873.05 2527.38,1883.72 cw(c2536.11,1875) 2544.84,1883.72 cw(c2536.11,1875) 2544.84,1866.27 2534.17,1855.6 2523.49,1844.93 ccw(c2532.22,1836.2) 2523.49,1827.47 ccw(c2532.22,1836.2) 2540.95,1827.47 2551.62,1838.14 2562.29,1848.82 cw(c2571.02,1840.09) 2579.75,1848.81 cw(c2571.02,1840.09) 2579.75,1831.36 2569.08,1820.69 2558.4,1810.02 ccw(c2567.13,1801.29) 2558.4,1792.56 ccw(c2567.13,1801.29) 2575.86,1792.56 2586.53,1803.23 2597.2,1813.91 cw(c2605.93,1805.18) 2614.66,1813.91 cw(c2605.93,1805.18) 2614.66,1796.45 2603.99,1785.78 2593.31,1775.11 ccw(c2602.04,1766.38) 2593.31,1757.65 ccw(c2602.04,1766.38) 2610.77,1757.65 2621.44,1768.32 2632.11,1779 cw(c2640.84,1770.27) 2649.57,1779 cw(c2640.84,1770.27) 2649.57,1761.54 2638.9,1750.87 2628.22,1740.2 ccw(c2636.95,1731.47) 2628.22,1722.74 ccw(c2636.95,1731.47) 2645.68,1722.74 2656.35,1733.41 2667.02,1744.09 cw(c2675.75,1735.36) 2684.48,1744.09 cw(c2675.75,1735.36) 2684.48,1726.63 2673.81,1715.96 2663.13,1705.29 ccw(c2671.86,1696.56) 2663.13,1687.83 ccw(c2671.86,1696.56) 2680.59,1687.83 2682.53,1689.78 cw(c2691.26,1681.05) 2699.99,1689.78 2752.7,1637.07 3551.91,1637.07 3583.66,1605.32 J2.2@3583.66,1440.16